# Altium PCB ReboostV2.1.PcbDoc (part 1 of 2) (continued)
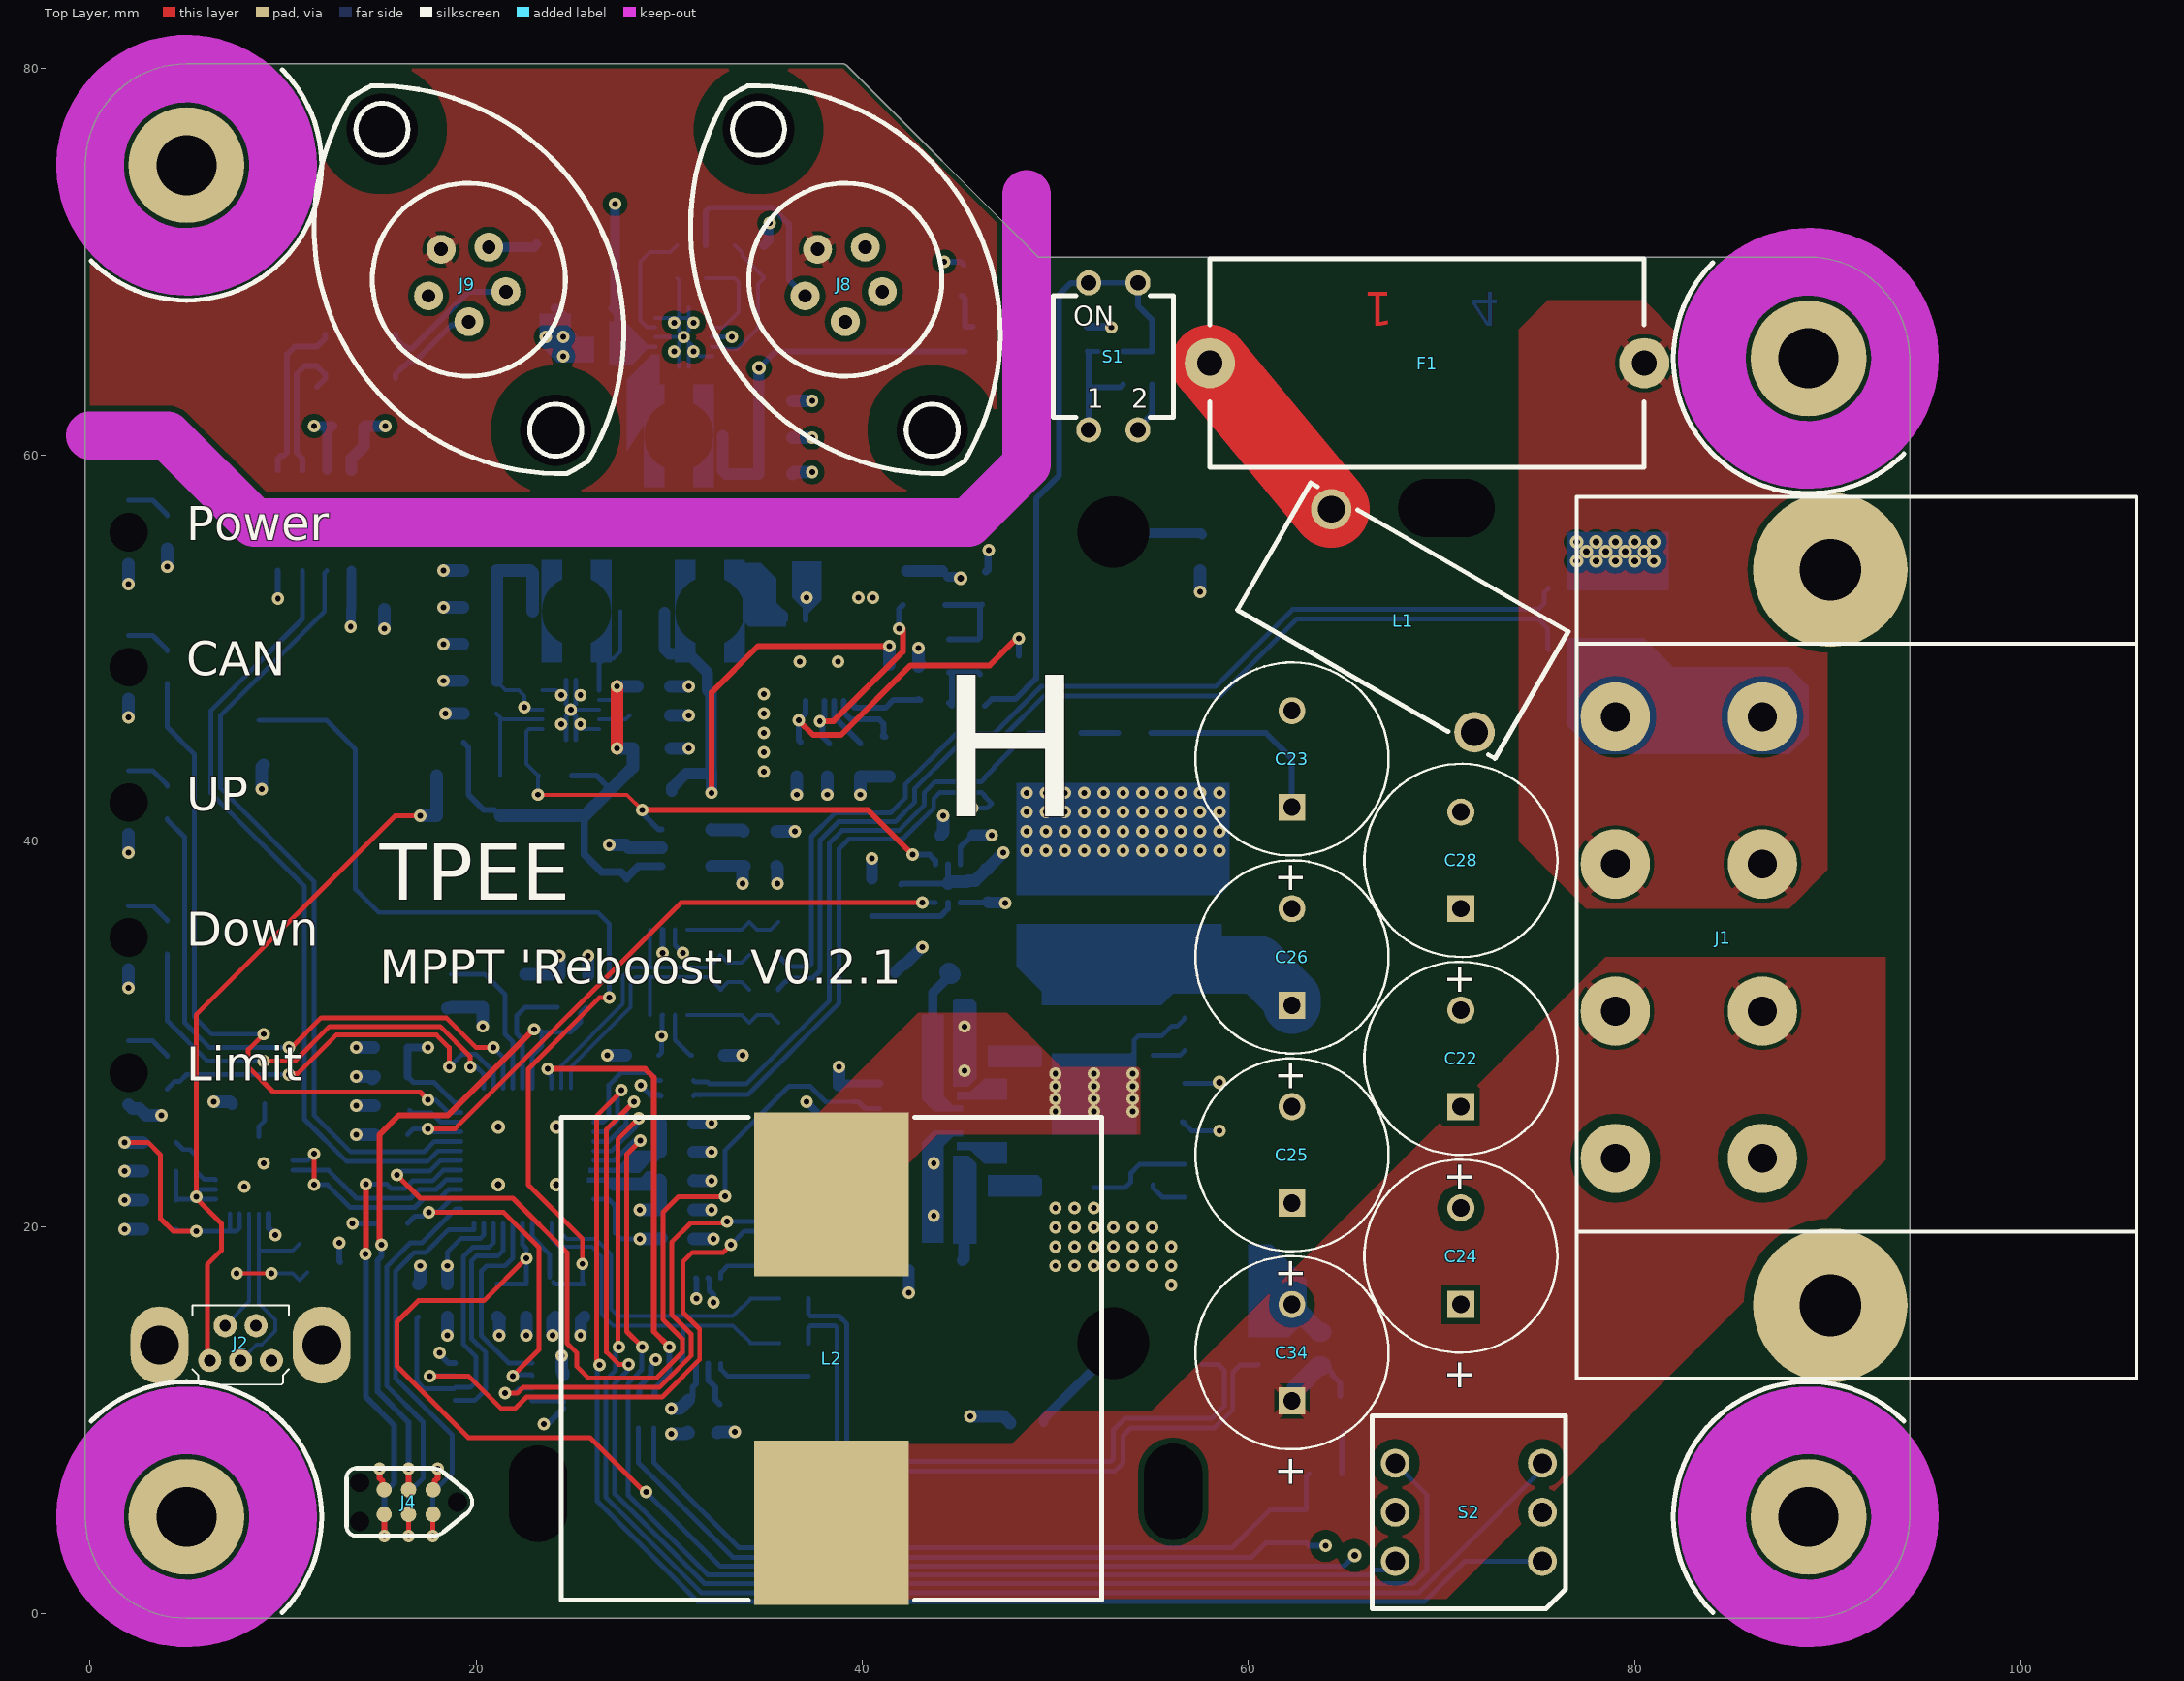
[diagram p0: Top Layer view]
## Design rules (kind name [scope] priority, off if disabled: settings) (continued)
RoutingPriority RoutingPriority_5 [All] p1: routingpriority=0
RoutingTopology RoutingTopology_5 [All] p1: topology=Shortest
RoutingVias RoutingVias_5 [All] p1: holewidth=0.3 width=0.6 viastyle="Through Hole" minholewidth=0.3 minwidth=0.6 maxholewidth=1 maxwidth=2
ShortCircuit ShortCircui [All] p1: allowed=FALSE
SilkToSilkClearance [All] p1 off: silktosilkclearance=0.2
SilkToSolderMaskClearance SilkscreenOverComponentPads [IsPad] p1 off: minsilkscreentomaskgap=0.2 clearancetoexposedcopper=TRUE
SolderMaskExpansion Via [IsVia] p1: expansion=0.102 istentingtop=TRUE
SolderMaskExpansion SolderMaskExpansion_5 [All] p2: expansion=0.102 istentingtop=FALSE
UnRoutedNet [All] p1: checkbadconnections=TRUE
Width [All] p1: maxlimit=5 minlimit=0.2 preferedwidth=0.3
Width Width-xTW [All] p2: maxlimit=1.5 minlimit=0.15 preferedwidth=0.2
2 further rules are at their usual default settings.

## Classes and differential pairs
net class HV: HSG HSS NetC27_2 NetC29_2 NetC40_2 NetQ1_G1 NetQ1_G2 Vb VLP
net class CANISO: 5Vcan CANH CANL CGND NetC47_2 NetD4_2 NetL3_1 NetL6_1 NetL6_4 NetR28_1 NetR30_1 NetU7_3 NetU7_6 SHLD Vcan
component class Designator: C27 C29 C30 C32 C33 C36 C37 C38 C40 C59 C60 C61 D2 D3 MP1 MP2 Q1 Q2 R22 R24 R27 R50 U5
channel class ReboostV2__Vsense: VHS VLS
component class VLS: L7_VLS R12_VLS R13_VLS R49_VLS
component class VHS: L7_VHS R12_VHS R13_VHS R49_VHS
channel class ReboostV2__Isense: IHS ILS
component class USB: C5 C6 C7 C8 D1 J2 R11 U2
component class ReboostV2_toplevel: F1 J1 L1 LED1 LED2 LED3 LED4 LED5 R1 R2 R3 R4 R5 R39 R41 S1
component class PSU: C41 C42 C45 C48 C49 C50 C51 C52 C53 C54 C55 C56 C57 C64 C65 C66 C67 D5 D6 D7 L4 L5 Q3 R25 R26 R32 R33 R34 R35 R36 R37 R38 R40 R42 R44 R45 R47 R48 R53 U8 U9 U10 U11
component class PowerElectronics: C20 C21 C22 C23 C24 C25 C26 C28 C34 C35 L2 R18 R19 R20 R21
component class ILS: C1_ILS C2_ILS C3_ILS C4_ILS R6_ILS R7_ILS R8_ILS R9_ILS R10_ILS U1_ILS
component class IHS: C1_IHS C2_IHS C3_IHS C4_IHS R6_IHS R7_IHS R8_IHS R9_IHS R10_IHS U1_IHS
component class Controller: C9 C10 C11 C12 C13 C14 C15 C16 C17 C18 C19 J4 R14 R15 R16 R17 S2 U3 U4 X1
component class CAN: C31 C39 C43 C44 C46 C47 C58 C62 D4 D8 J8 J9 L3 L6 MP3 MP4 MP5 MP6 R28 R29 R30 R31 U6 U7
differential pair D: +D_P -D_N
differential pair S_ILS: +S_ILS_P -S_ILS_N
differential pair S_IHS: +S_IHS_P -S_IHS_N
differential pair _ILS: +_ILS_P -_ILS_N
differential pair _IHS: +_IHS_P -_IHS_N

## Components (designator, comment, footprint, x,y, rotation, side; value= is the part's Value field where it differs from the comment)
C1_IHS "1nF" C0603 34.15,31.45 r90 bottom (schematic designator C1)
C1_ILS "1nF" C0603 35.7,13.15 r90 bottom (schematic designator C1)
C2_IHS "100nF" C0603 28.6,28.9 r0 bottom (schematic designator C2)
C2_ILS "100nF" C0603 30.4,20.9 r180 bottom (schematic designator C2)
C3_IHS "100nF" C0603 32,28.9 r180 bottom (schematic designator C3)
C3_ILS "100nF" C0603 32.5,10.2 r90 bottom (schematic designator C3)
C4_IHS "1nF" C0603 34.15,34.95 r270 bottom (schematic designator C4)
C4_ILS "1nF" C0603 35.7,17.15 r270 bottom (schematic designator C4)
C5 "2.2uF" C0603 3.6,21.4 r0 bottom
C6 "100nF" C0603 3.6,22.9 r0 bottom
C7 "2.2uF" C0603 8.2,26.4 r0 bottom
C8 "2.2uF" C0603 3.6,19.9 r0 bottom
C9 "100nF" C0603 24.5,11.5 r270 bottom
C10 "15pF" C0603 18.5,32.2 r90 bottom
C11 "15pF" C0603 24.3,32.2 r270 bottom
C12 "2.2uF" C0603 30.4,22.4 r180 bottom
C13 "100nF" C0603 31,10.2 r90 bottom
C14 "2.2uF" C0603 30.4,25.4 r180 bottom
C15 "100nF" C0603 30.4,23.9 r180 bottom
C16 "100nF" C0603 18.5,16.2 r90 bottom
C17 "100nF" C0603 15.6,27.8 r0 bottom
C18 "100nF" C0603 30.4,19.4 r180 bottom
C19 "2.2uF" C0603 15.6,29.3 r0 bottom
C20 "100nF" C0603 22.6,16.2 r90 bottom
C21 "100nF" C0603 24.1,16.2 r90 bottom
C22 "100uF" WCAP-ATUL_10x20x5x0.6 71,28.75 r270 top
C23 "100uF" WCAP-ATUL_10x20x5x0.6 62.25,44.25 r270 top
C24 "100uF" WCAP-ATUL_10x20x5x0.6 71,18.5 r270 top
C25 "100uF" WCAP-ATUL_10x20x5x0.6 62.25,23.75 r270 top
C26 "100uF" WCAP-ATUL_10x20x5x0.6 62.25,34 r270 top
C27 "100nF" C-0805 48.5,9.9 r0 bottom
C28 "100uF" WCAP-ATUL_10x20x5x0.6 71,39 r270 top
C29 "100nF" C-0805 57.6,55 r90 bottom
C30 "2.2uF" C0603 44.5,21.5 r0 bottom
C31 "100nF" C0603 14.4,52 r180 bottom
C32 "1uF" C-1206 53.4,36.4 r270 bottom
C33 "1uF" C-1206 55.7,36.4 r270 bottom
C34 "100uF" WCAP-ATUL_10x20x5x0.6 62.25,13.5 r270 top
C35 "100nF" C-0805 63.8,13.7 r270 bottom
C36 "1uF" C-1206 48.8,36.4 r270 bottom
C37 "1uF" C-1206 51.1,36.4 r270 bottom
C38 "1uF" C-1206 58,36.4 r270 bottom
C39 "100nF" C0603 13.4,61.5 r0 bottom
C40 "2.2uF" C0603 44.5,29.5 r180 bottom
C41 "10uF" C-0805 20.2,48.3 r0 bottom
C42 "100nF" C0603 29.2,48 r180 bottom
C43 "100nF" C-0805 26.5,65.4 r0 bottom
C44 "1uF" C-1206 25.6,67.6 r0 bottom
C45 "100nF" C0603 44.9,40.3 r0 bottom
C46 "10uF" C-0805 35.5,59 r180 bottom
C47 "10nF" C0603 30.4,70 r90 bottom
C48 "4.7uF" C-0805 33.05,47.6 r180 bottom
C49 "4.7uF" C-0805 33.05,43.6 r180 bottom
C50 "4.7uF" C-0805 33.1,45.6 r180 bottom
C51 "100nF" C0603 41.4,44.2 r90 bottom
C52 "2.2uF" C0603 29.2,44.8 r180 bottom
C53 "10uF" C-0805 20.2,54 r0 bottom
C54 "100nF" C0603 27.8,38.9 r270 bottom
C55 "10nF" C0603 29.2,46.5 r180 bottom
C56 "2.2uF" C0603 46.5,37.7 r270 bottom
C57 "10nF" C0603 34.7,40.5 r180 bottom
C58 "10uF" C-0805 35.5,62.8 r180 bottom
C59 "100nF" C0603 44.5,19.7 r0 bottom
C60 "100nF" C0603 38.8,26.5 r90 bottom
C61 "100nF" C0603 44.5,31.3 r180 bottom
C62 "10uF" C-0805 35.5,60.9 r180 bottom
C64 "1uF" C-1206 38.6,53.9 r180 bottom
C65 "10uF" C-0805 20.2,50.2 r0 bottom
C66 "10uF" C-0805 20.2,52.1 r0 bottom
C67 "2.2uF" C0603 34.7,38.7 r180 bottom
D1 "SP0502BAHTG" SOT23 11.9,18.2 r90 bottom
D2 "SS110L" SUB-SMA 43.8,17.8 r0 bottom
D3 "SS110L" SUB-SMA 43.1,33.2 r0 bottom
D4 "HMHA2801" FSOP4 48.5,66 r0 bottom
D5 "MMSD701T1G" "SOD123 - B" 19.6,43.4 r0 bottom
D6 "MMSD701T1G" "SOD123 - B" 28.5,42.6 r180 bottom
D7 "MMSD701T1G" "SOD123 - B" 19.6,41.3 r0 bottom
D8 "SMAJ58A" SMA 25.1,70.9 r0 bottom
F1 "Fuse Holder" Fuse5x20TH 58,64.75 r0 top
J1 "Header 1x4" "PC 4/ 4-G-7,62" 106,35 r90 top
J2 "USB-B-MINI-VERT" USB-B-MINI-VERT 7.8,14 r0 top
J4 "TagConnect 6p NL" TC2030-IDC-NL 19.04,5.765 r180 top
J8 "CAN_BUS-Deutsch_ASL206-05SD-HE" ASL206-05SD-HE 39,69 r75 top
J9 "CAN_BUS-Deutsch_ASL206-05SD-HE" ASL206-05SD-HE 19.5,69 r75 top
L1 "2uH, 10A" 744710210 67.996,51.41 r150 top
L2 "68uH, 11.2A" WE-HCF_2920 38.4,13.2 r0 top locked
L3 "150uH 0.42A" "WE-TPC 4828, MH"#1 30.5,61 r0 bottom
L4 "150uH 0.42A" "WE-TPC 4828, MH"#2 32.1,51.9 r180 bottom
L5 "150uH 0.42A" "WE-TPC 4828, MH"#1 25.2,51.9 r180 bottom
L6 "800Ohm" WE-CNSW_1812 14,65.1 r0 bottom
L7_VHS "90Ohm" WE-CNSW_0805 30.4,27.2 r180 bottom (schematic designator L7)
L7_VLS "90Ohm" WE-CNSW_0805 28.8,10.45 r90 bottom (schematic designator L7)
LED1 "GRN" "WL-SMRW_1206 cylindrical_Reverse use" 2,56 r90 bottom
LED2 "RED" "WL-SMRW_1206 cylindrical_Reverse use" 2,49 r90 bottom
LED3 "RED" "WL-SMRW_1206 cylindrical_Reverse use" 2,35 r90 bottom
LED4 "GRN" "WL-SMRW_1206 cylindrical_Reverse use" 2,28 r90 bottom
LED5 "GRN" "WL-SMRW_1206 cylindrical_Reverse use" 2,42 r90 bottom
MP1 "M2.5x2mm" 9774020151 53,14 r270 bottom
MP2 "M2.5x2mm" 9774020151 53,56 r270 bottom
MP3 "M2.5x2mm" 9774020151 43.62,61.281 r180 bottom
MP4 "M2.5x2mm" 9774020151 24.12,61.281 r180 bottom
MP5 "M2.5x2mm" 9774020151 15.125,76.86 r180 bottom
MP6 "M2.5x2mm" 9774020151 34.625,76.86 r180 bottom
Q1 "GS61008T" GS61008T 52,30.3 r180 bottom
Q2 "GS61008T" GS61008T 52,23.6 r180 bottom
Q3 "MMBT5401LT1G" SOT-23 47.1,49.6 r90 bottom
R1 "330R" 0603 4,56 r270 bottom
R2 "330R" 0603 4,49 r270 bottom
R3 "330R" 0603 4,35 r270 bottom
R4 "330R" 0603 4,28 r270 bottom
R5 "330R" 0603 4,42 r270 bottom
R6_IHS "0.005R" 2512-L-4T 78.5,51.5 r270 bottom (schematic designator R6)
R6_ILS "0.005R" 2512-L-4T 58.8,16 r0 bottom (schematic designator R6)
R7_IHS "1K" 0603 35.65,31.45 r270 bottom (schematic designator R7)
R7_ILS "1K" 0603 37.2,13.15 r270 bottom (schematic designator R7)
R8_IHS "47k" 0603 32.65,31.45 r90 bottom (schematic designator R8)
R8_ILS "47k" 0603 34.2,13.15 r90 bottom (schematic designator R8)
R9_IHS "1K" 0603 35.65,34.95 r90 bottom (schematic designator R9)
R9_ILS "1K" 0603 37.2,17.15 r90 bottom (schematic designator R9)
R10_IHS "47k" 0603 32.65,34.95 r270 bottom (schematic designator R10)
R10_ILS "47k" 0603 34.2,17.15 r270 bottom (schematic designator R10)
R11 "10K" 0603 3.6,24.4 r180 bottom
R12_VHS "120K" 0603 54.1,45.6 r0 bottom (schematic designator R12)
R12_VLS "120K" 0603 65,10.25 r90 bottom (schematic designator R12)
R13_VHS "180K" 0603 50.5,45.6 r0 bottom (schematic designator R13)
R13_VLS "180K" 0603 64,7.25 r0 bottom (schematic designator R13)
R14 "10k" 0603 25.8,32.2 r270 bottom
R15 "10k" 0603 15.6,26.3 r180 bottom
R16 "10K" 0603 17,16.2 r270 bottom
R17 "10K" 0603 15.6,20.2 r0 bottom
R18 "100K" 0603 21.1,16.2 r270 bottom
R19 "100K" 0603 25.6,16.2 r270 bottom
R20 "NTC-100K" R0805 56.7,26.4 r90 bottom
R21 "NTC-100K" R0805 9,45 r90 bottom
R22 "2R" 0603 47,28 r90 bottom
R24 "10K" 0603 56.7,30 r270 bottom
R25 "750K" 0603 42.1,53.1 r90 bottom
R26 "470K" 0603 44,53.1 r90 bottom
R27 "2R" 0603 47,23 r270 bottom
R28 "100K" 0603 31.9,70 r90 bottom
R29 "470" 0603 45.25,69 r270 bottom
R30 "20K" 0603 33.4,70 r270 bottom
R31 "100R" 0603 34.9,70 r270 bottom
R32 "10K" 0603 38.2,44.2 r90 bottom
R33 "130K" 0603 41.4,48.3 r90 bottom
R34 "750K" 0603 36.6,44.2 r90 bottom
R35 "47k" 0603 20.2,45.1 r180 bottom
R36 "10K" 0603 42.9,48.2 r270 bottom
R37 "200K" 0603 46.4,53.1 r270 bottom
R38 "200K" 0603 45.5,47 r0 bottom
R39 "0R" 0603 55,64.5 r90 bottom
R40 "200K" 0603 39.9,44.2 r90 bottom
R41 "0R" 0603 53.5,64.5 r90 bottom
R42 "10K" 0603 20.2,46.6 r0 bottom
R44 "10K" 0603 24.1,43.4 r0 bottom
R45 "10K" 0603 15.6,24.8 r0 bottom
R47 "47k" 0603 40.5,37.2 r90 bottom
R48 "12K" 0603 42,37.2 r270 bottom
R49_VHS "10K" 0603 46.7,42.8 r270 bottom (schematic designator R49)
R49_VLS "10K" 0603 63,4.5 r270 bottom (schematic designator R49)
R50 "10K" 0603 56.7,22.4 r270 bottom
R53 "200K" 0603 44.5,49.6 r270 bottom
S1 "418127270902" 418127270902 53,65.1 r0 top
S2 "428527320916" 42852732091x_16p 71.41,5.24 r90 top
U1_IHS "LTC6362" MSOP8 29.97,33.2 r90 bottom (schematic designator U1)
U1_ILS "LTC6362" MSOP8 31.7,15.15 r90 bottom (schematic designator U1)
U2 "CP2104-F03-GM" QFN24 8.5,22.7 r90 bottom
U3 "STM32G474" QFN48 22.65,23.7 r270 bottom
U4 "74LVC2G08" TSSOP8 20.9,12 r0 bottom
U5 "Si8273" DFN-14 43,25.5 r0 bottom
U6 "ISO1044" SO-8 11.635,56.6 r90 bottom
U7 "LM5165XDRCT" PWSON10 30.75,66.1 r90 bottom
U8 "LTC3639EMSE" MSE1612 37.8,49.35 r270 bottom
U9 "LM5165YDRCT" PWSON10 24.9,46.8 r270 bottom
U10 "LP2985AIM5-3.3" SOT-23-5 30.9,39.65 r0 bottom
U11 "TPS7A2501" WSON-6 44.43,37.8 r90 bottom
X1 "16MHz" 7M 21.45,32.25 r0 bottom

## Footprints (in the part's own frame and the unit in brackets; to place one, negate y for a bottom-side part, rotate by r counter-clockwise, add the part's x,y. Pads: shape width x height; smd on the part's side, far side on the other; paste and mask are expansions set on the pad)
7M [mm]
  rect 1.4x1.2 smd: 0(-1.1,0.85) 0(1.1,-0.85) 1(-1.1,-0.85) 2(1.1,0.85)
  silkscreen extent -0.2,-1.25 0.2,1.25, body extent -1.6,-1.3 1.7,1.3, height 0.8
0603 [mm]
  rect 1.1x1 smd: 1(-0.85,0) 2(0.85,0)
  body extent -0.95,-0.45 0.95,0.45, height 0.45
2512-L-4T [mm]
  rect 1.3x5.4 smd: 1(-1.6,-0.6) 2(1.6,-0.6)
  rect 1.3x0.7 smd: 3(-1.6,2.95) 4(1.6,2.95)
  body extent -1.61,-3.18 1.62,3.24, height 0.6
744710210 [mm] "Rod Core Choke, THT, 2-leads"
  round 2.1 hole 1.4: 1(-6.1,3.15) 2(6.1,-3.15)
  silkscreen extent -7.7,-3.8 7.7,3.8, body extent -7.7,-3.8 7.7,3.8, height 7.65
9774020151 [mm] "SMT Steel Spacer with internal Thread M2.5, height 2mm"
  round 6 / inner round 0 / far side round 0 hole 3.7 unplated: 1(0,0)
  body extent -2.55,-2.55 2.55,2.55, height 2
42852732091x_16p [mm] "10x10 mm washable THT arrow type, 16 position"
  round 1.5 hole 1: 1(-2.54,-3.81) 2(2.54,3.81) 4(2.54,-3.81) 8(-2.54,3.81) C(0,3.81) C(0,-3.81)
  silkscreen extent -5,-5 5,5, body extent -5,-5 5,5, height 6.55
418127270902 [mm] "2.54 mm small compact THT with raised actuator 2p"
  round 1.3 hole 0.8: 1(-1.27,-3.81) 2(1.27,-3.81) 3(1.27,3.81) 4(-1.27,3.81)
  silkscreen extent -3.11,-3.15 3.11,3.15, body extent -3.01,-3.98 3.01,3.89, height 4.15
ASL206-05SD-HE [mm]
  round 1.5 hole 0.7: 1(-1.25,1.7) 2(-2,-0.66) 3(0,-2.11) 4(2,-0.66) 5(1.25,1.7)
  silkscreen extent -8.8,-9 9,8.8, body extent -8.86,-8.86 8.86,8.86, height 27.3
C0603 [mm]
  rect 1.1x1 smd: 1(-0.85,0) 2(0.85,0)
  body extent -0.95,-0.45 0.95,0.45, height 0.45
C-0805 [mm]
  rect 1.1x1.4 smd: 1(-0.875,0) 2(0.875,0)
  body extent -1.01,-0.64 1.01,0.64, height 0.6
C-1206 [mm]
  rect 1.6x1.8 smd: 1(-1.5,0) 2(1.5,0)
  body extent -1.61,-0.81 1.61,0.81, height 0.45
DFN-14 [mm] "DFN-14-SILABS"
  rrect25% 0.8x0.4 smd: 1(-2.1,1.95) 2(-2.1,1.3) 3(-2.1,0.65) 4(-2.1,0) 5(-2.1,-0.65) 6(-2.1,-1.3) 7(-2.1,-1.95) 8(2.1,-1.95) 9(2.1,-1.3) 10(2.1,-0.65) 11(2.1,0) 12(2.1,0.65) 13(2.1,1.3) 14(2.1,1.95)
  silkscreen extent -2.5,-2.5 2.5,3.15, body extent -2.5,-2.5 2.5,2.5, height 0.95
FSOP4 [mm]
  rect 1.52x0.61 smd: 1(-3.175,0.635)
  oval 1.52x0.61 smd: 2(-3.175,-0.635) 3(3.175,-0.635) 4(3.175,0.635)
  silkscreen extent -2,-1.27 2,1.27, body extent -3.5,-1.4 3.5,1.4, height 2.1
Fuse5x20TH [mm]
  round 2.6 hole 1.3: 1(0,0) 2(22.5,0)
  silkscreen extent 0,-5.4 22.5,5.4, body extent -0.3,-4.8 22.8,4.8, height 11.5
GS61008T [mm] "GAN TRANS EMODE 100V 90A TOP SIDE COOLED"
  rect 5.5x0.85 smd paste-0.1: D(0,1.55)
  rect 0.85x1.15 smd paste-0.1: G1(-3.05,-1.4) G2(3.05,-1.4)
  rect 4.4x0.85 smd paste-0.1: S(0,-1.55)
  silkscreen extent -3.5,-0.5 3.5,2, body extent -3.5,-2 3.5,2, height 0.5
MSE1612 [mm] "6-LEAD PLASTIC MSOP with 2 pins removed"
  rect 0.9x0.3 smd: 1(-2.1,1.75) 3(-2.1,0.75) 5(-2.1,-0.25) 6(-2.1,-0.75) 7(-2.1,-1.25) 8(-2.1,-1.75) 9(2.1,-1.75) 10(2.1,-1.25) 11(2.1,-0.75) 12(2.1,-0.25) 14(2.1,0.75) 16(2.1,1.75)
  rect 1.6x2.8 smd: 17(0,0)
  body extent -1.5,-2 1.5,2, height 1.1
MSOP8 [mm] "Mini small outline package"
  rect 1.02x0.41 smd: 1(-2.2,0.975) 2(-2.2,0.325) 3(-2.2,-0.325) 4(-2.2,-0.975) 5(2.2,-0.975) 6(2.2,-0.325) 7(2.2,0.325) 8(2.2,0.975)
  silkscreen extent -2.2,-1.5 1.3,1.8, body extent -2.45,-1.5 2.45,1.5, height 1.15
"PC 4/ 4-G-7,62" [mm]
  round 8 hole 3.2: 0(-19.05,15.86) 0(19.05,15.86)
  round 3.6 hole 1.5: 1(-11.43,19.38) 1(-11.43,27) 2(-3.81,19.38) 2(-3.81,27) 3(3.81,19.38) 3(3.81,27) 4(11.43,19.38) 4(11.43,27)
  silkscreen extent -22.83,0 22.83,29, body extent -22.84,0.03 22.84,29.03, height 14.25
PWSON10 [mm]
  rrect40% 0.23x0.8 smd: 1(-1,-1.475) 2(-0.5,-1.475) 3(0,-1.475) 4(0.5,-1.475) 5(1,-1.475) 6(1,1.475) 7(0.5,1.475) 8(0,1.475) 9(-0.5,1.475) 10(-1,1.475)
  rrect40% 1.05x0.68 on Bottom Paste: 2(-0.575,-0.4) 2(-0.575,0.4) 2(0.575,-0.4) 2(0.575,0.4)
  rrect10% 0.5x0.26 on Bottom Paste: 3(-1.55,0.25) 3(1.55,0.25) 4(-1.55,-0.25) 4(1.55,-0.25)
  rect 0.7x0.28 smd paste-2: CP(-1.55,-0.25) CP(-1.55,0.25) CP(1.55,-0.25) CP(1.55,0.25)
  round 0.65 hole 0.3 mask+0.102: CP(-0.75,-0.5) CP(-0.75,0.5) CP(0,0) CP(0.75,-0.5) CP(0.75,0.5)
  rect 2.4x1.65 smd paste-2: CP(0,0)
  silkscreen extent -1.6,-1.6 1.6,1.6, body extent -1.6,-1.6 1.6,1.6, height 0.6
QFN24 [mm]
  rect 2.6x2.6 smd paste-10: 0(0,0)
  rect 0.75x0.3 smd: 1(-2,1.25) 2(-2,0.75) 3(-2,0.25) 4(-2,-0.25) 5(-2,-0.75) 6(-2,-1.25) 13(2,-1.25) 14(2,-0.75) 15(2,-0.25) 16(2,0.25) 17(2,0.75) 18(2,1.25)
  rect 0.3x0.75 smd: 7(-1.25,-2) 8(-0.75,-2) 9(-0.25,-2) 10(0.25,-2) 11(0.75,-2) 12(1.25,-2) 19(1.25,2) 20(0.75,2) 21(0.25,2) 22(-0.25,2) 23(-0.75,2) 24(-1.25,2)
  silkscreen extent -2.25,-2.25 2.25,2.25, body extent -2.01,-2.01 2.01,2.01, height 0.9
QFN48 [mm] "QFN, 48-Leads, Body 7,00x6,95mm, Pitch 0,50mm, Thermal Pad 5,60x5,60mm, IPC Low Density"
  rrect50% 0.9x0.25 smd: 1(-3.5,2.75) 2(-3.5,2.25) 3(-3.5,1.75) 4(-3.5,1.25) 5(-3.5,0.75) 6(-3.5,0.25) 7(-3.5,-0.25) 8(-3.5,-0.75) 9(-3.5,-1.25) 10(-3.5,-1.75) 11(-3.5,-2.25) 12(-3.5,-2.75) 25(3.5,-2.75) 26(3.5,-2.25) 27(3.5,-1.75) 28(3.5,-1.25) 29(3.5,-0.75) 30(3.5,-0.25) 31(3.5,0.25) 32(3.5,0.75) 33(3.5,1.25) 34(3.5,1.75) 35(3.5,2.25) 36(3.5,2.75)
  rrect50% 0.25x0.9 smd: 13(-2.75,-3.45) 14(-2.25,-3.45) 15(-1.75,-3.45) 16(-1.25,-3.45) 17(-0.75,-3.45) 18(-0.25,-3.45) 19(0.25,-3.45) 20(0.75,-3.45) 21(1.25,-3.45) 22(1.75,-3.45) 23(2.25,-3.45) 24(2.75,-3.45) 37(2.75,3.45) 38(2.25,3.45) 39(1.75,3.45) 40(1.25,3.45) 41(0.75,3.45) 42(0.25,3.45) 43(-0.25,3.45) 44(-0.75,3.45) 45(-1.25,3.45) 46(-1.75,3.45) 47(-2.25,3.45) 48(-2.75,3.45)
  rect 5.6x5.6 smd paste-0.5: 49(0,0)
  silkscreen extent -4.47,-3.65 3.7,3.65, body extent -3.55,-3.5 3.55,3.5, height 0.55
R0805 [mm]
  rect 1.1x1.5 smd: 1(-1.05,0) 2(1.05,0)
  body extent -1.01,-0.64 1.01,0.64, height 0.6